# Altium PCB dev-board.PcbDoc (part 3 of 3)
Units mil, origin at the board's own origin, x right, y up, seen from the top; angles counter-clockwise.
Board outline 5607.36 x 4976.81 mil, 4 copper layers (Top Layer, Mid Layer 1, Mid Layer 2, Bottom Layer), stack 62.449 mil thick; 260 components, 115 nets, 707 pads, 1011 vias.
Unrouted connection lines stored in the file: 1.
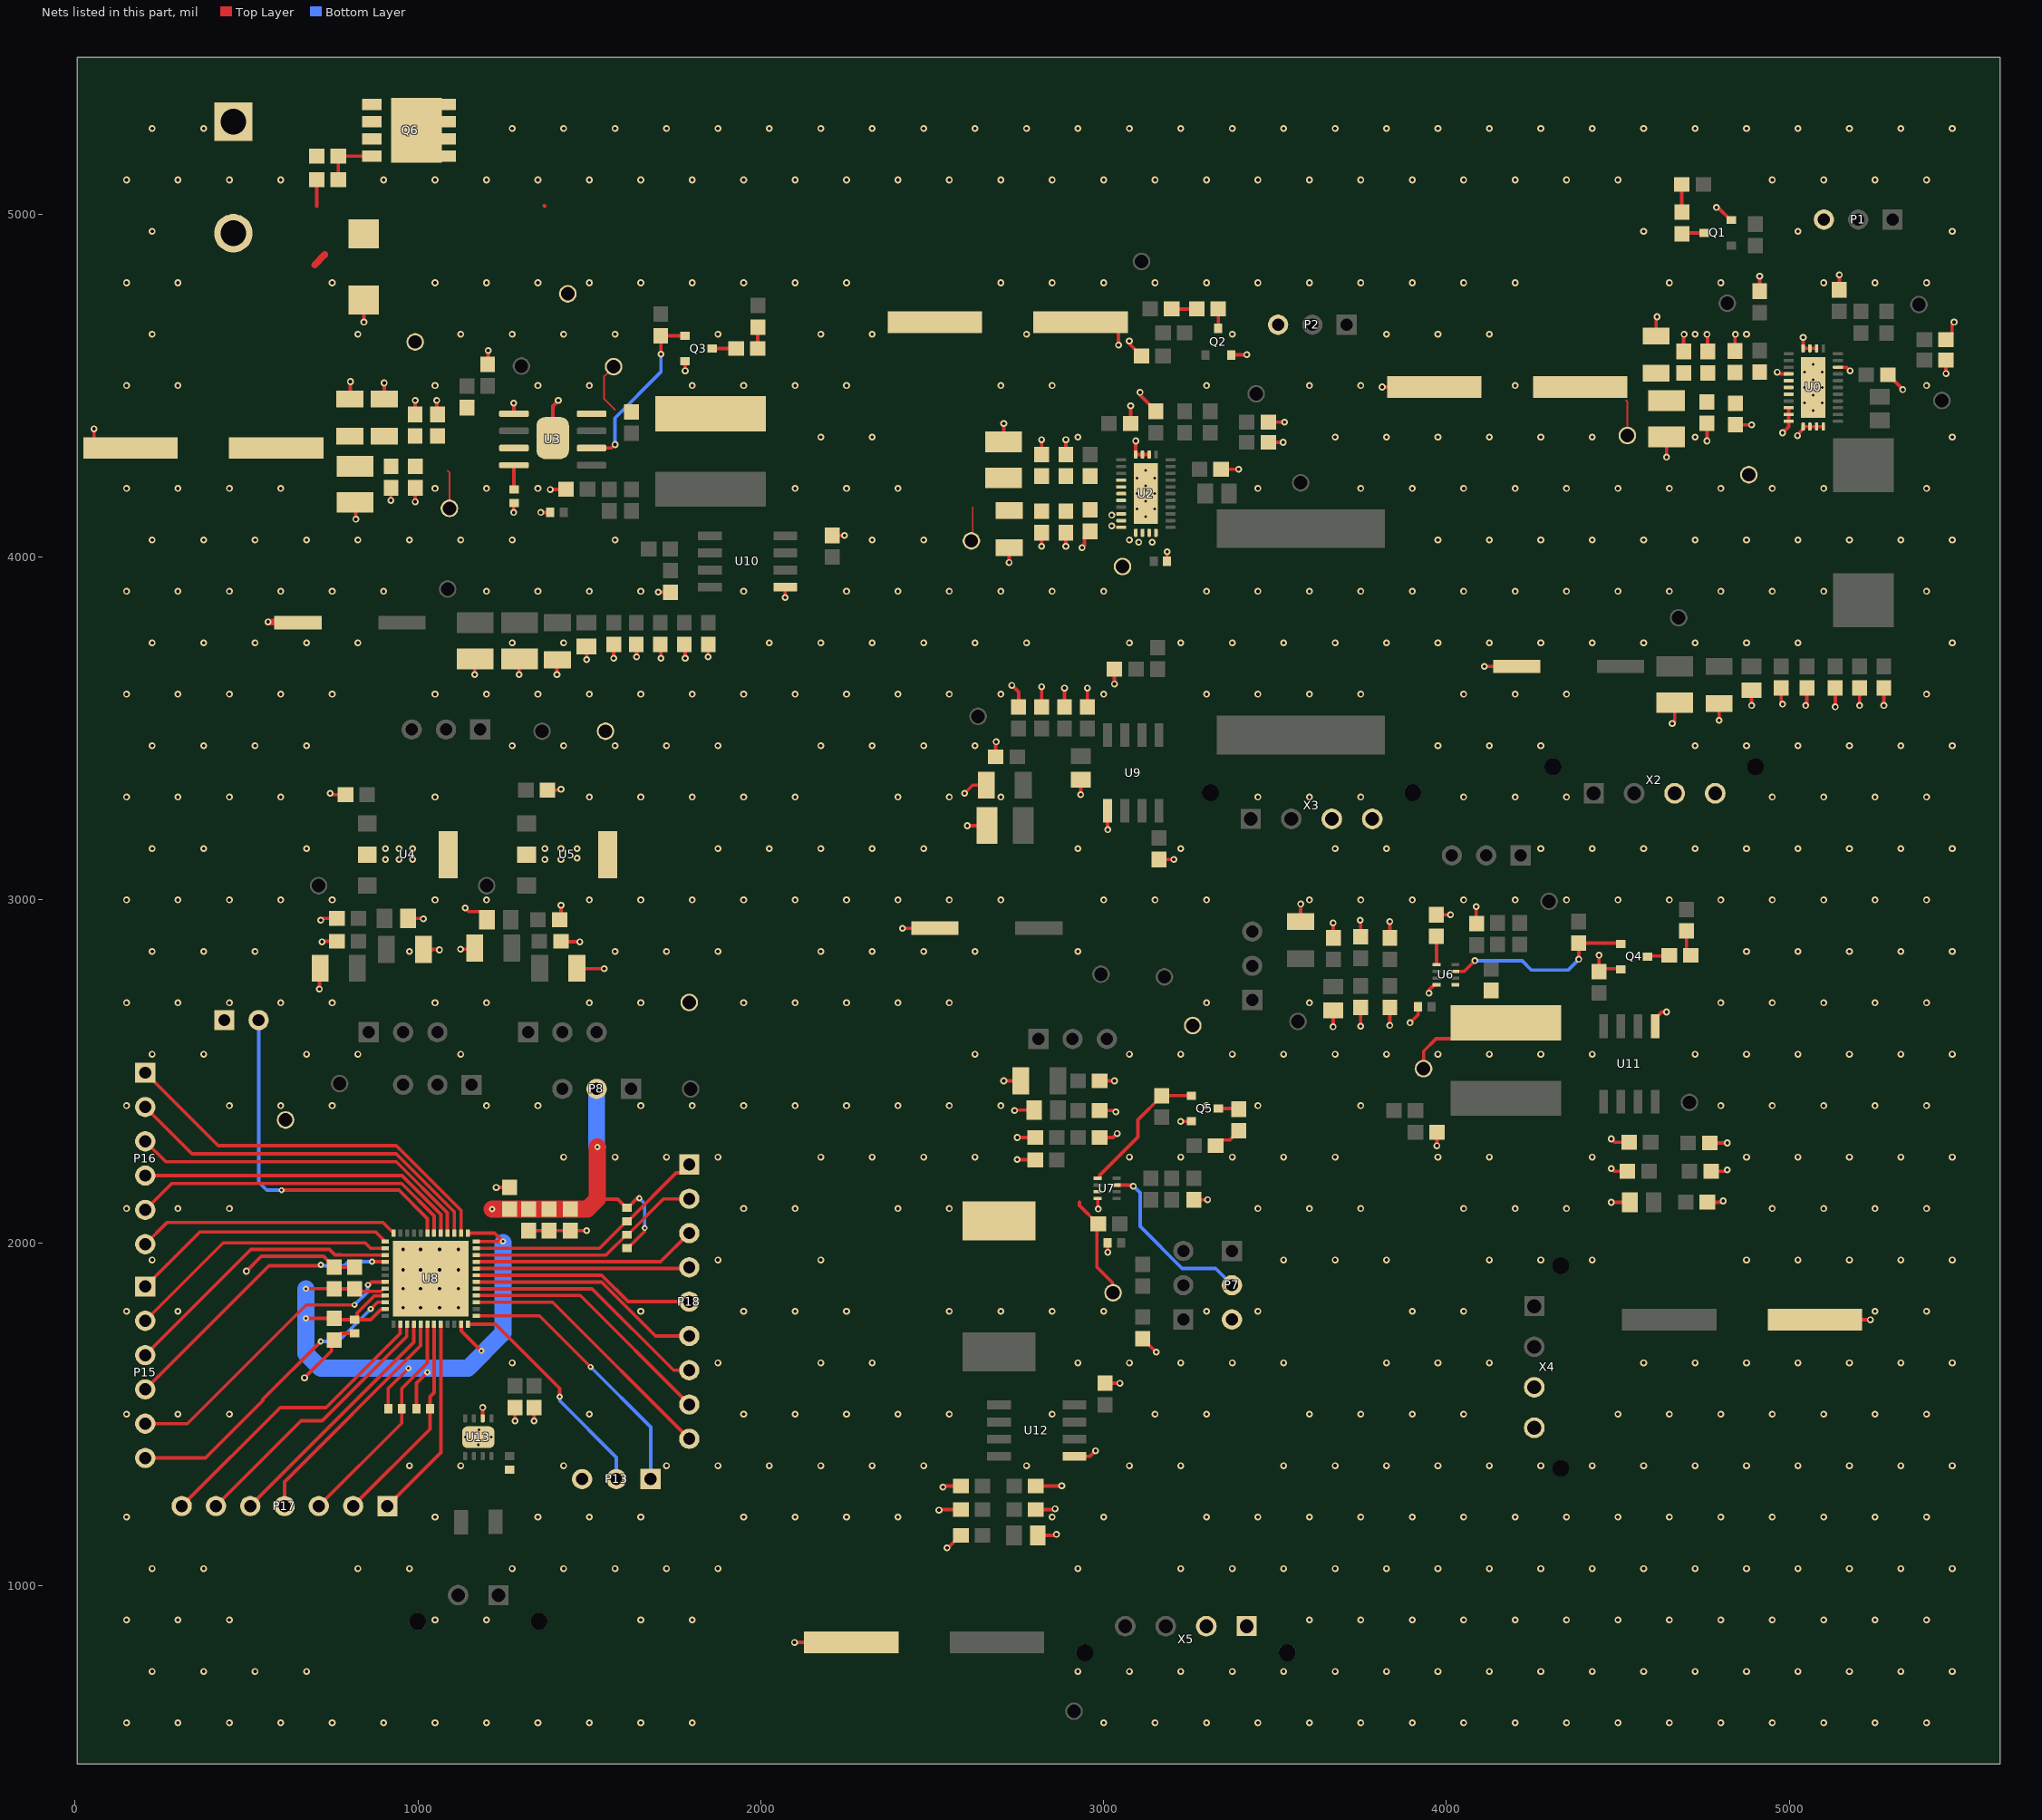
[diagram p5: the nets of this part, all layers, seen from the top]

## Via types
v1: diameter 20, hole 10, Top Layer to Bottom Layer, tented both sides, 931 vias
v2: diameter 17.72, hole 7.87, Top Layer to Bottom Layer, tented both sides, 56 vias
v3: diameter 11.81, hole 7.87, Top Layer to Bottom Layer, 24 vias

## Nets (pads, with @x,y where several pads share a name; then routed paths per layer and width w, separated by ;. In a path a pad name is that pad's centre, name@x,y a point inside that pad or via, vN(x,y) a via of type N, cw(c..) or ccw(c..) an arc to the next point about the centre after c; other vN are vias at no path point) (continued)
GND: C1.2 C2.2 C3.2 C4.2 C5.2 C6.2 C7.2 C8.2 C9.2 C10.2 C11.2 C12.2 C15.2 C19.2 C20.2 C21.2 C22.2 C23.2 C24.2 C25.2 C26.2 C29.2 C30.2 C31.2 C32.2 C33.2 C34.2 C35.2 C36.2 C37.2 C39.2 C40.2 C41.2 C43.2 C44.2 C49.2 C50.2 C51.2 C52.2 C53.2 C54.2 C55.2 C56.2 C58.2 C59.2 C60.2 C61.2 C62.2 C63.2 C64.2 C65.2 C68.2 C69.2 C70.2 C71.2 C72.2 C73.2 C74.2 C75.2 C76.2 C77.2 C79.2 C81.2 C82.2 C83.2 C84.2 C85.1 C86.2 C87.2 C88.2 C89.2 C90.2 C91.1 C92.2 C93.2 C94.2 C95.2 C96.2 C97.2 C98.2 C100.2 C102.2 C103.2 C104.2 C105.2 C106.2 C107.2 C108.2 C109.2 C112.2 C113.2 C114.2 C115.2 C116.2 C117.2 C118.2 C119.2 C121.2 C124.2 C125.2 C126.2 C127.2 C128.2 C129.2 C130.2 C133.2 C134.2 C135.2 C136.2 C137.2 C138.2 C140.2 C142.2 C144.2 C145.2 D8.2 P1.3 P2.3 P7.3 P13.3 P14.1 Q1.2 Q2.2 Q3.2 Q4.2 Q5.2 Q6.3 R2.2 R5.2 R9.2 R13.2 R15.1 R16.2 R18.2 R20.2 R22.2 R26.2 R27.2 R28.2 R33.1 R34.2 R36.1 R40.2 R41.1 R49.1 TP2.1 TP7.1 TP15.1 TP16.1 TP30.1 TP31.1 TP33.1 TP34.1 U0.9 U0.13 U0.14 U0.15 U0.19 U0.24 U0.25 U0.26 U0.27 U0.28 U0.29 U0.30 U0.31 U2.13 U2.14 U2.15 U2.19 U2.24 U2.25 U2.26 U2.27 U2.28 U2.29 U2.30 U2.31 U3.1 U3.9 U4.2 U5.2 U6.4 U7.4 U8.49 U9.5 U10.5 U11.5 U12.5 U13.2 U13.9 X2.P$3 X2.P$4 X3.P$3 X3.P$4 X4.P$3 X4.P$4 X5.P$1 X5.P$2 | length 8671.2
  Top Layer w10: v1(55.12,4374.02) 55.12,4339.49 76.61,4317.99 C58.2@161.61,4317.99 ; v1(500,1917.32) 543.31,1960.63 724.41,1960.63 738.27,1946.77 739.25,1946.77 755.91,1930.12 C140.2@755.91,1929.13 C9.2@814.96,1929.13 ; v1(669.29,1606.3) 747.75,1684.76 747.75,1708.38 C10.2@755.91,1716.54 755.91,1717.52 774.61,1736.22 C142.2@814.96,1736.22 ; v1(712.6,2740.16) 712.6,2798.62 C82.2@714.57,2800.59 ; v1(716.54,2940.94) 721.85,2946.26 C86.2@763.78,2946.26 ; v1(720.47,2877.95) 721.85,2879.33 C84.2@763.78,2879.33 ; v1(744.09,3311.02) 746.8,3311.02 750.7,3307.13 C81.2@788.82,3307.13 ; C60.2@775.59,4475.87 790.2,4461.26 C60.2@801.81,4461.26 803.15,4462.6 v1(803.15,4511.81) ; C59.2@816.81,4159.33 818.9,4157.24 v1(818.9,4110.24) ; D8.2@841.81,4749.33 843.58,4747.56 842.52,4746.5 v1(842.52,4685.04) ; v1(901.57,4507.87) 901.81,4507.64 C61.2@901.81,4461.26 ; v1(921.26,4165.35) 921.26,4201.38 C62.2@921.81,4201.93 ; C85.1@971.65,2946.26 1014.37,2946.26 v1(1015.75,2944.88) ; C64.2@991.81,4415.98 992.13,4416.3 v1(992.13,4456.69) ; v1(992.13,4161.42) 992.13,4201.14 C63.2@992.91,4201.93 ; C83.2@1015.75,2855.71 1061.61,2855.71 v1(1062.99,2854.33) ; v1(1055.12,4456.69) 1055.12,4417.68 C144.2@1056.81,4415.98 ; v1@1122.05,2854.33 v1(1124.07,2856.35) 1162.06,2856.35 C89.2@1165.35,2859.65 ; v1(1137.8,2976.38) 1147.91,2966.26 1183.74,2966.26 1201.57,2948.43 C91.1@1201.57,2942.32 ; v1(1165.35,3657.48) C70.2@1165.35,3701.57 ; U13.2@1188.98,1488.19 v1(1188.98,1519.68) ; R20.2@1203.31,4562.13 1204.72,4563.54 v1(1204.72,4602.36) ; v1(1228.35,2161.42) C138.2@1267.72,2161.42 ; v1(1279.53,4129.92) 1279.53,4156.85 R22.2@1280.12,4157.44 ; v1(1279.53,4448.82) 1280.12,4448.23 U3.1@1280.12,4417.99 ; v1(1283.46,1480.32) C134.2@1283.46,1519.68 ; v1(1295.28,3657.48) C69.2@1295.28,3701.5 ; C137.2@1322.83,2035.43 C136.2@1381.89,2035.43 C135.2@1444.88,2035.43 v1(1492.13,2035.43) ; v1(1338.58,1480.32) C133.2@1338.58,1519.68 ; v1(1358.27,4129.92) R26.2@1385.83,4129.92 ; C87.2@1377.95,3320.28 1414.76,3320.28 v1(1417.32,3322.83) ; v1(1385.83,4196.85) 1386.5,4197.52 R27.2@1431.81,4197.52 ; U3.9@1393.31,4347.13 1393.31,4440.55 v1(1409.45,4456.69) ; v1(1405.51,3657.48) C71.2@1405.51,3699.06 ; C90.2@1413.39,2942.32 1417.32,2946.26 v1(1417.32,2984.25) ; C92.2@1417.32,2879.33 1418.7,2877.95 v1(1472.44,2877.95) ; C88.2@1463.58,2800.59 1464.96,2799.21 v1(1543.31,2799.21) ; v1(1492.13,3700.79) C72.2@1492.13,3739.02 ; v1(1570.87,3704.72) C73.2@1570.87,3744.68 ; v1(1637.8,3708.66) C74.2@1637.8,3744.65 ; v1(1700.79,3897.64) C79.2@1736.22,3897.64 ; v1(1708.66,3704.72) C76.2@1708.66,3743.78 ; Q3.2@1778.94,4570.83 1779.53,4570.24 v1(1779.53,4543.31) ; v1(1779.53,3704.72) C75.2@1779.53,3742.91 ; v1(1846.46,3708.66) C77.2@1846.46,3745.28 ; v1(2070.87,3881.89) U10.5@2070.87,3910.94 ; v1(2098.43,834.65) C124.2@2263.78,834.65 ; C65.2@2208.66,4062.99 v1(2244.09,4062.99) ; v1(2413.39,2917.32) C44.2@2507.87,2917.32 ; v1(2519.68,1220.47) 2521.34,1222.13 C129.2@2583.78,1222.13 ; v1(2531.5,1287.4) 2534.76,1290.67 C125.2@2583.78,1290.67 ; v1(2543.31,1110.24) 2545.22,1112.15 2548.17,1112.15 2574.64,1138.61 2575.62,1138.61 C127.2@2583.78,1146.77 ; v1(2594.49,3311.02) 2618.11,3334.65 C50.2@2657.4,3334.65 ; v1(2602.36,3216.54) C49.2@2659.8,3216.54 ; v1@2681.1,3460.63 2685.04,3456.69 C54.2@2685.04,3417.32 ; v1(2708.66,2472.44) 2709.02,2472.09 C112.2@2757.99,2472.09 ; C30.2@2708.66,4336.26 v1(2708.66,4389.76) ; v1(2724.41,3984.25) C31.2@2724.41,4027.48 ; v1(2732.28,3625.98) 2751.97,3606.3 C53.2@2751.97,3562.99 ; v1(2740.16,2385.83) 2741.42,2387.09 C114.2@2797.48,2387.09 ; v1@2748.03,2244.09 2750.04,2242.09 C118.2@2800.63,2242.09 ; v1(2748.03,2307.09) C116.2@2800.63,2307.09 ; C128.2@2801.77,1222.13 2855.98,1222.13 v1(2858.27,1224.41) ; C130.2@2801.77,1290.67 2877.28,1290.67 v1(2877.95,1291.34) ; C126.2@2808.07,1146.77 2859.37,1146.77 v1(2862.2,1149.61) ; C55.2@2818.9,3562.99 v1(2818.9,3622.05) ; v1(2818.9,4031.5) C32.2@2818.9,4070.87 ; C36.2@2818.9,4299.21 v1(2818.9,4342.52) ; C56.2@2885.83,3562.99 v1(2885.83,3618.11) ; v1(2889.76,4031.5) C35.2@2889.76,4070.87 ; C33.2@2889.76,4299.21 v1(2889.76,4342.52) ; U12.5@2915.24,1377.13 2959.8,1377.13 v1(2976.38,1393.7) ; v1(2933.07,3307.09) C51.2@2933.07,3350.39 ; C29.2@2933.07,4685.04 3016.81,4685.04 3043.31,4658.54 v1(3043.31,4618.11) ; v1(2937.01,4027.56) 2943.98,4034.53 2943.98,4058.15 C34.2@2960.63,4074.8 ; C52.2@2952.76,3562.99 v1(2952.76,3618.11) ; U7.4@2982.2,2129.21 2983.15,2129.21 2983.23,2129.13 2983.23,2099.45 v1(2984.25,2098.43) ; C117.2@2988.19,2307.09 3027.56,2307.09 v1(3039.37,2318.9) ; C115.2@2988.19,2385.83 3031.5,2385.83 v1(3035.43,2381.89) ; C113.2@2988.19,2472.44 v1(3031.5,2472.44) ; C119.2@3003.94,1590.55 v1(3047.24,1590.55) ; U9.5@3011.61,3260.43 3011.61,3204.92 v1(3011.81,3204.72) ; v1(3011.81,1972.44) R36.1@3011.81,2000 ; v1(3031.5,3629.92) C37.2@3031.5,3673.23 ; v1(3074.8,4629.92) 3076.72,4628.01 3076.72,4620.13 3092.6,4604.25 3092.6,4603.27 3109.25,4586.61 C40.2@3110.24,4586.61 ; R13.2@3078.74,4389.76 v1(3078.74,4440.94) ; U2.15@3093.43,4299.29 v1@3093.43,4338.58 ; U2.15@3093.5,4299.21 U2.14@3113.19,4299.21 U2.13@3132.87,4299.21 ; v1(3106.3,4480.31) 3106.3,4472.44 3152.56,4426.18 R18.2@3152.56,4425.2 ; C121.2@3114.17,1720.47 3114.17,1719.49 3152.56,1681.1 v1(3153.54,1681.1) ; C43.2@3161.61,3118.11 v1(3204.72,3118.11) ; R15.1@3185.04,3988.19 v1(3185.04,4015.75) ; v1(3224.41,2354.33) Q5.2@3255.91,2354.33 ; R40.2@3262.95,2125.28 3302.44,2125.28 v1(3303.15,2125.98) ; C39.2@3342.52,4255.91 v1(3393.7,4255.91) ; Q2.2@3371.69,4588.62 3372.66,4589.59 3416.36,4589.59 v1(3417.32,4590.55) ; R16.2@3480.32,4334.65 v1@3519.68,4334.65 ; C41.2@3480.32,4393.7 v1(3527.56,4393.7) ; v1(3523.62,4334.65) v1@3523.62,4338.58 ; C93.2@3574.8,2937.01 v1(3574.8,2988.19) ; v1(3669.29,2629.92) 3669.29,2677.72 C95.2@3669.8,2678.23 ; v1(3669.29,2933.07) 3669.8,2932.56 C94.2@3669.8,2889.37 ; v1(3748.03,2940.94) 3749.8,2939.17 C97.2@3749.8,2892.87 ; v1(3749.8,2631.69) C96.2@3749.8,2686.38 ; v1@3814.96,4496.06 C1.2@3964.57,4496.06 ; v1(3834.65,2633.86) 3834.8,2634.02 C145.2@3834.8,2686.38 ; v1(3834.65,2937.01) 3834.8,2936.85 C98.2@3834.8,2889.37 ; v1(3893.7,2641.73) 3917.32,2665.35 R33.1@3917.32,2688.98 ; v1(3948.82,2728.35) 3948.82,2737.13 3964.02,2752.32 U6.4@3970.75,2752.32 ; R28.2@3970.75,2956.69 v1(4011.81,2956.69) ; v1@3972.44,2283.46 C109.2@3972.44,2322.83 ; v1(4086.61,2980.32) 4086.61,2933.07 R34.2@4088.31,2931.38 ; v1(4110.24,3681.1) C15.2@4204.72,3681.1 ; v1(4444.88,2838.58) C100.2@4444.88,2791.34 4452.76,2799.21 Q4.2@4507.87,2799.21 ; v1(4480.31,2118.11) 4480.55,2118.35 C103.2@4534.49,2118.35 ; v1(4480.31,2216.54) 4488.19,2208.66 C106.2@4527.56,2208.66 ; v1(4480.31,2303.15) 4490.12,2293.35 C108.2@4532.64,2293.35 ; U11.5@4608.31,2631.61 4608.31,2653.27 4628.27,2673.23 v1(4641.73,2673.23) ; C3.2@4611.54,4645 4611.54,4698.15 v1(4614.17,4700.79) ; C2.2@4641.54,4350.43 4641.54,4291.54 v1(4641.73,4291.34) ; v1@4661.42,3515.75 4665.35,3519.68 C19.2@4665.35,3575.51 ; C5.2@4691.54,4599.72 4691.54,4648.23 v1(4692.91,4649.61) ; v1(4759.84,4338.58) C4.2@4759.84,4389.76 ; v1(4759.84,4649.61) 4761.54,4647.91 C7.2@4761.54,4599.72 ; C104.2@4760.63,2118.35 4803.39,2118.35 v1(4807.09,2122.05) ; C107.2@4767.72,2291.34 v1(4818.9,2291.34) ; C105.2@4771.65,2208.66 4812.25,2208.66 4816.19,2212.6 v1(4818.9,2212.6) ; v1(4787.4,5019.69) 4791.85,5019.69 4828.62,4982.91 Q1.2@4830.59,4982.91 ; v1(4795.28,3523.62) C20.2@4795.28,3572.83 ; C8.2@4841.54,4600.91 4841.54,4648.62 v1(4842.52,4649.61) ; C6.2@4842.52,4385.83 v1(4889.76,4385.83) ; v1(4889.76,3566.93) C21.2@4889.76,3611.81 ; R2.2@4913.39,4775.59 v1(4913.39,4818.9) ; v1(4964.57,4539.37) 4967.27,4539.37 4972.59,4534.06 4997.8,4534.06 U0.19@4997.87,4533.98 ; C22.2@4976.38,3618.11 4976.38,3574.8 v1(4980.31,3570.87) ; v1@4980.31,4362.2 4997.87,4379.76 U0.26@4997.87,4396.18 U0.25@4997.87,4415.87 U0.24@4997.87,4435.55 ; v1(5023.62,4354.33) 5023.62,4357.13 5040.2,4373.7 U0.27@5040.2,4380.43 U0.28@5059.88,4380.43 U0.29@5079.57,4380.43 U0.30@5099.25,4380.43 ; v1@5039.37,4641.73 v1(5040.2,4640.91) U0.15@5040.2,4608.78 U0.14@5059.88,4608.78 U0.13@5079.57,4608.78 ; v1(5047.24,3566.93) 5051.18,3570.87 C23.2@5051.18,3618.11 ; C102.2@5074.8,1775.59 v1(5236.22,1775.59) ; v1(5133.86,3562.99) C24.2@5133.86,3618.11 ; U0.9@5141.57,4553.66 5166.69,4553.66 5177.04,4543.31 v1(5177.17,4543.31) ; R9.2@5145.67,4779.53 v1(5145.67,4822.83) ; v1(5204.72,3566.93) C26.2@5204.72,3618.11 ; v1(5275.59,3566.93) C25.2@5275.59,3618.11 ; C11.2@5287.4,4531.5 5288.39,4531.5 5330.71,4489.17 v1(5330.71,4488.19) ; v1(5456.69,4535.43) R5.2@5456.69,4574.8 ; C12.2@5456.69,4633.86 5457.68,4633.86 5474.33,4650.51 5474.33,4676.35 5480.31,4682.33 v1(5480.31,4685.04)
  Top Layer w20: v1(562.99,3811.02) 647.83,3811.02 C68.2@650.24,3808.62 ; C70.2@1165.35,3701.57 C70.2@1166.81,3703.03 ; C69.2@1295.28,3701.5 C69.2@1296.81,3703.03 ; C71.2@1405.51,3699.06 C71.2@1406.81,3700.35 ; C72.2@1491.81,3739.33 C72.2@1492.13,3739.02 ; C73.2@1570.87,3744.68 C73.2@1571.81,3745.63 ; C74.2@1636.81,3745.63 C74.2@1637.8,3744.65 ; C76.2@1706.81,3745.63 C76.2@1708.66,3743.78 ; C75.2@1776.81,3745.63 C75.2@1779.53,3742.91 ; C77.2@1846.46,3745.28 C77.2@1846.81,3745.63 ; U10.5@2070.87,3910.94 U10.5@2072.05,3912.13
  other v1: 150,600 300,600 450,600 600,600 750,600 900,600 1050,600 1200,600 1350,600 1500,600 1650,600 1800,600 3000,600 3150,600 3300,600 3450,600 3600,600 3750,600 3900,600 4050,600 4200,600 4350,600 4500,600 4650,600 4800,600 4950,600 5100,600 5250,600 5400,600 225,750 375,750 525,750 675,750 2925,750 3075,750 3225,750 3375,750 3525,750 3675,750 3825,750 3975,750 4125,750 4275,750 4425,750 4575,750 4725,750 4875,750 5025,750 5175,750 5325,750 5475,750 150,900 300,900 450,900 1050,900 1200,900 1650,900 1800,900 3600,900 3750,900 3900,900 4050,900 4200,900 4350,900 4500,900 4650,900 4800,900 4950,900 5100,900 5250,900 5400,900 225,1050 375,1050 825,1050 975,1050 1275,1050 1425,1050 1575,1050 1725,1050 1875,1050 2925,1050 3225,1050 3375,1050 3525,1050 3675,1050 3825,1050 3975,1050 4125,1050 4275,1050 4425,1050 4575,1050 4725,1050 4875,1050 5025,1050 5175,1050 5325,1050 5475,1050 150,1200 1050,1200 1350,1200 1500,1200 1650,1200 1950,1200 2100,1200 2250,1200 2400,1200 2850,1200 3000,1200 3300,1200 3450,1200 3600,1200 3750,1200 3900,1200 4050,1200 4200,1200 4350,1200 4500,1200 4650,1200 4800,1200 4950,1200 5100,1200 5250,1200 5400,1200 975,1350 1125,1350 1425,1350 1725,1350 1875,1350 2025,1350 2175,1350 2325,1350 2475,1350 2775,1350 3075,1350 3225,1350 3525,1350 3675,1350 3825,1350 3975,1350 4125,1350 4275,1350 4425,1350 4575,1350 4725,1350 4875,1350 5025,1350 5175,1350 5325,1350 5475,1350 150,1500 300,1500 450,1500 1500,1500 1950,1500 2100,1500 2250,1500 2400,1500 2550,1500 2850,1500 3150,1500 3300,1500 3600,1500 3750,1500 3900,1500 4050,1500 4500,1500 4650,1500 4800,1500 4950,1500 5100,1500 5250,1500 5400,1500 1275,1650 1875,1650 2175,1650 2325,1650 2925,1650 3075,1650 3225,1650 3375,1650 3525,1650 3825,1650 3975,1650 4125,1650 4575,1650 4725,1650 4875,1650 5025,1650 5175,1650 5325,1650 5475,1650 150,1800 300,1800 1650,1800 1950,1800 2100,1800 2250,1800 2550,1800 2700,1800 2850,1800 3000,1800 3300,1800 3450,1800 3900,1800 4050,1800 5250,1800 5400,1800 956.69,1811.02 1007.87,1811.02 1062.99,1811.02 1118.11,1811.02 956.69,1866.14 1007.87,1866.14 1062.99,1866.14 1118.11,1866.14 956.69,1921.26 1007.87,1921.26 1062.99,1921.26 1118.11,1921.26 225,1950 1875,1950 2175,1950 3525,1950 3675,1950 3825,1950 4125,1950 4275,1950 4425,1950 4875,1950 5025,1950 5175,1950 5325,1950 5475,1950 956.69,1980.31 1007.87,1980.31 1062.99,1980.32 1118.11,1980.31 150,2100 300,2100 450,2100 1950,2100 2100,2100 2400,2100 2550,2100 3450,2100 3600,2100 3750,2100 4050,2100 4200,2100 4350,2100 4950,2100 5100,2100 5250,2100 5400,2100 2747.62,2243.2 1425,2250 1575,2250 1725,2250 1875,2250 2175,2250 2325,2250 2475,2250 2625,2250 3075,2250 3225,2250 3375,2250 3525,2250 3675,2250 3975,2250 4125,2250 4425,2250 4875,2250 5025,2250 5175,2250 5325,2250 5475,2250 3972.19,2283.03 150,2400 450,2400 600,2400 750,2400 1200,2400 1350,2400 1650,2400 1800,2400 1950,2400 2100,2400 2250,2400 2400,2400 2550,2400 2700,2400 3300,2400 3450,2400 3750,2400 4800,2400 4950,2400 5100,2400 5250,2400 5400,2400 225,2550 375,2550 675,2550 825,2550 1125,2550 2625,2550 3075,2550 3225,2550 3375,2550 3525,2550 3675,2550 3825,2550 3975,2550 4125,2550 4275,2550 4425,2550 4725,2550 4875,2550 5025,2550 5175,2550 5325,2550 5475,2550 150,2700 300,2700 450,2700 600,2700 750,2700 1050,2700 1200,2700 1500,2700 1650,2700 1950,2700 2100,2700 2250,2700 2400,2700 2550,2700 3300,2700 3600,2700 4800,2700 4950,2700 5100,2700 5250,2700 5400,2700 225,2850 375,2850 525,2850 975,2850 1575,2850 1725,2850 1875,2850 2175,2850 2325,2850 2475,2850 2625,2850 2925,2850 4875,2850 5025,2850 5175,2850 5325,2850 5475,2850 150,3000 300,3000 450,3000 600,3000 750,3000 1050,3000 1200,3000 1500,3000 1650,3000 1800,3000 1950,3000 2100,3000 2250,3000 2400,3000 2550,3000 2700,3000 3000,3000 3150,3000 3300,3000 3600,3000 3750,3000 3900,3000 4050,3000 4200,3000 4350,3000 4500,3000 4650,3000 4800,3000 4950,3000 5100,3000 5250,3000 5400,3000 905.51,3118.11 944.88,3118.11 984.25,3118.11 1370.08,3118.11 1417.32,3118.11 1464.57,3122.05 225,3150 375,3150 675,3150 905.51,3149.61 944.88,3149.61 984.25,3149.61 1370.08,3149.61 1417.32,3149.61 1464.57,3149.61 1875,3150 2025,3150 2175,3150 2325,3150 2475,3150 2925,3150 3225,3150 3675,3150 3825,3150 4275,3150 4425,3150 4575,3150 4725,3150 4875,3150 5025,3150 5175,3150 5325,3150 5475,3150 150,3300 300,3300 450,3300 600,3300 1050,3300 1500,3300 1650,3300 1800,3300 1950,3300 2100,3300 2400,3300 2550,3300 2700,3300 3450,3300 3600,3300 3750,3300 4050,3300 4200,3300 4350,3300 4950,3300 5100,3300 5250,3300 5400,3300 225,3450 375,3450 525,3450 675,3450 1275,3450 1425,3450 1575,3450 1725,3450 1875,3450 2175,3450 2325,3450 2475,3450 2625,3450 3975,3450 4125,3450 4275,3450 4725,3450 4875,3450 5025,3450 5175,3450 5325,3450 5475,3450 2686.39,3461.19 4658.24,3514.79 150,3600 300,3600 450,3600 600,3600 750,3600 1050,3600 1200,3600 1350,3600 1500,3600 1650,3600 1800,3600 1950,3600 2100,3600 2250,3600 2400,3600 2550,3600 2700,3600 3000,3600 3300,3600 3450,3600 3600,3600 3750,3600 4050,3600 4200,3600 4350,3600 5400,3600 225,3750 375,3750 525,3750 675,3750 825,3750 1275,3750 1425,3750 2025,3750 2175,3750 2325,3750 2475,3750 2625,3750 2775,3750 3075,3750 3225,3750 3375,3750 3525,3750 3675,3750 3825,3750 3975,3750 4125,3750 4275,3750 4425,3750 4575,3750 4725,3750 4875,3750 5025,3750 5475,3750 150,3900 300,3900 450,3900 600,3900 750,3900 900,3900 1200,3900 1350,3900 1500,3900 1650,3900 1950,3900 2250,3900 2400,3900 2550,3900 2700,3900 2850,3900 3000,3900 3300,3900 3450,3900 3600,3900 3750,3900 3900,3900 4050,3900 4200,3900 4350,3900 4500,3900 4650,3900 4800,3900 4950,3900 5100,3900 5400,3900 3102.36,4043.31 3141.73,4043.31 225,4050 375,4050 525,4050 675,4050 825,4050 975,4050 1125,4050 1275,4050 1575,4050 2325,4050 2475,4050 3075,4050 3975,4050 4125,4050 4275,4050 4425,4050 4575,4050 4725,4050 4875,4050 5025,4050 5175,4050 5325,4050 5475,4050 3023.62,4090.55 3023.62,4122.05 150,4200 300,4200 450,4200 600,4200 1050,4200 1200,4200 1350,4200 2100,4200 2250,4200 2400,4200 3450,4200 3750,4200 3900,4200 4050,4200 4200,4200 4350,4200 4500,4200 4650,4200 4800,4200 4950,4200 5100,4200 5400,4200 3093.5,4338.58 2175,4350 2325,4350 2925,4350 3675,4350 3825,4350 3975,4350 4125,4350 4275,4350 4425,4350 4725,4350 5475,4350 4980.11,4362.38 3812.36,4495.88 150,4500 300,4500 1050,4500 1350,4500 1500,4500 1800,4500 1950,4500 2100,4500 2250,4500 2700,4500 2850,4500 3300,4500 3600,4500 3750,4500 4200,4500 5400,4500 225,4650 825,4650 1125,4650 1275,4650 1425,4650 1575,4650 1875,4650 2175,4650 2325,4650 2775,4650 3375,4650 3825,4650 3975,4650 4125,4650 4725,4650 4875,4650 150,4800 300,4800 750,4800 1050,4800 1200,4800 1350,4800 1500,4800 1650,4800 1800,4800 1950,4800 2100,4800 2250,4800 2700,4800 2850,4800 3000,4800 3150,4800 3300,4800 3450,4800 3600,4800 3750,4800 3900,4800 4050,4800 4200,4800 4650,4800 4800,4800 5100,4800 5250,4800 5400,4800 225,4950 4575,4950 5025,4950 5475,4950 150,5100 300,5100 450,5100 600,5100 900,5100 1050,5100 1200,5100 1350,5100 1500,5100 1650,5100 1800,5100 1950,5100 2100,5100 2250,5100 2400,5100 2550,5100 2700,5100 2850,5100 3000,5100 3150,5100 3300,5100 3450,5100 3600,5100 3750,5100 3900,5100 4050,5100 4200,5100 4350,5100 4500,5100 4950,5100 5100,5100 5250,5100 5400,5100 225,5250 375,5250 1275,5250 1425,5250 1575,5250 1725,5250 1875,5250 2025,5250 2175,5250 2325,5250 2475,5250 2625,5250 2775,5250 2925,5250 3075,5250 3225,5250 3375,5250 3525,5250 3675,5250 3825,5250 3975,5250 4125,5250 4275,5250 4425,5250 4575,5250 4725,5250 4875,5250 5025,5250 5175,5250 5325,5250 5475,5250